# KiCad board hypjolin-rounded.kicad_pcb (continued)
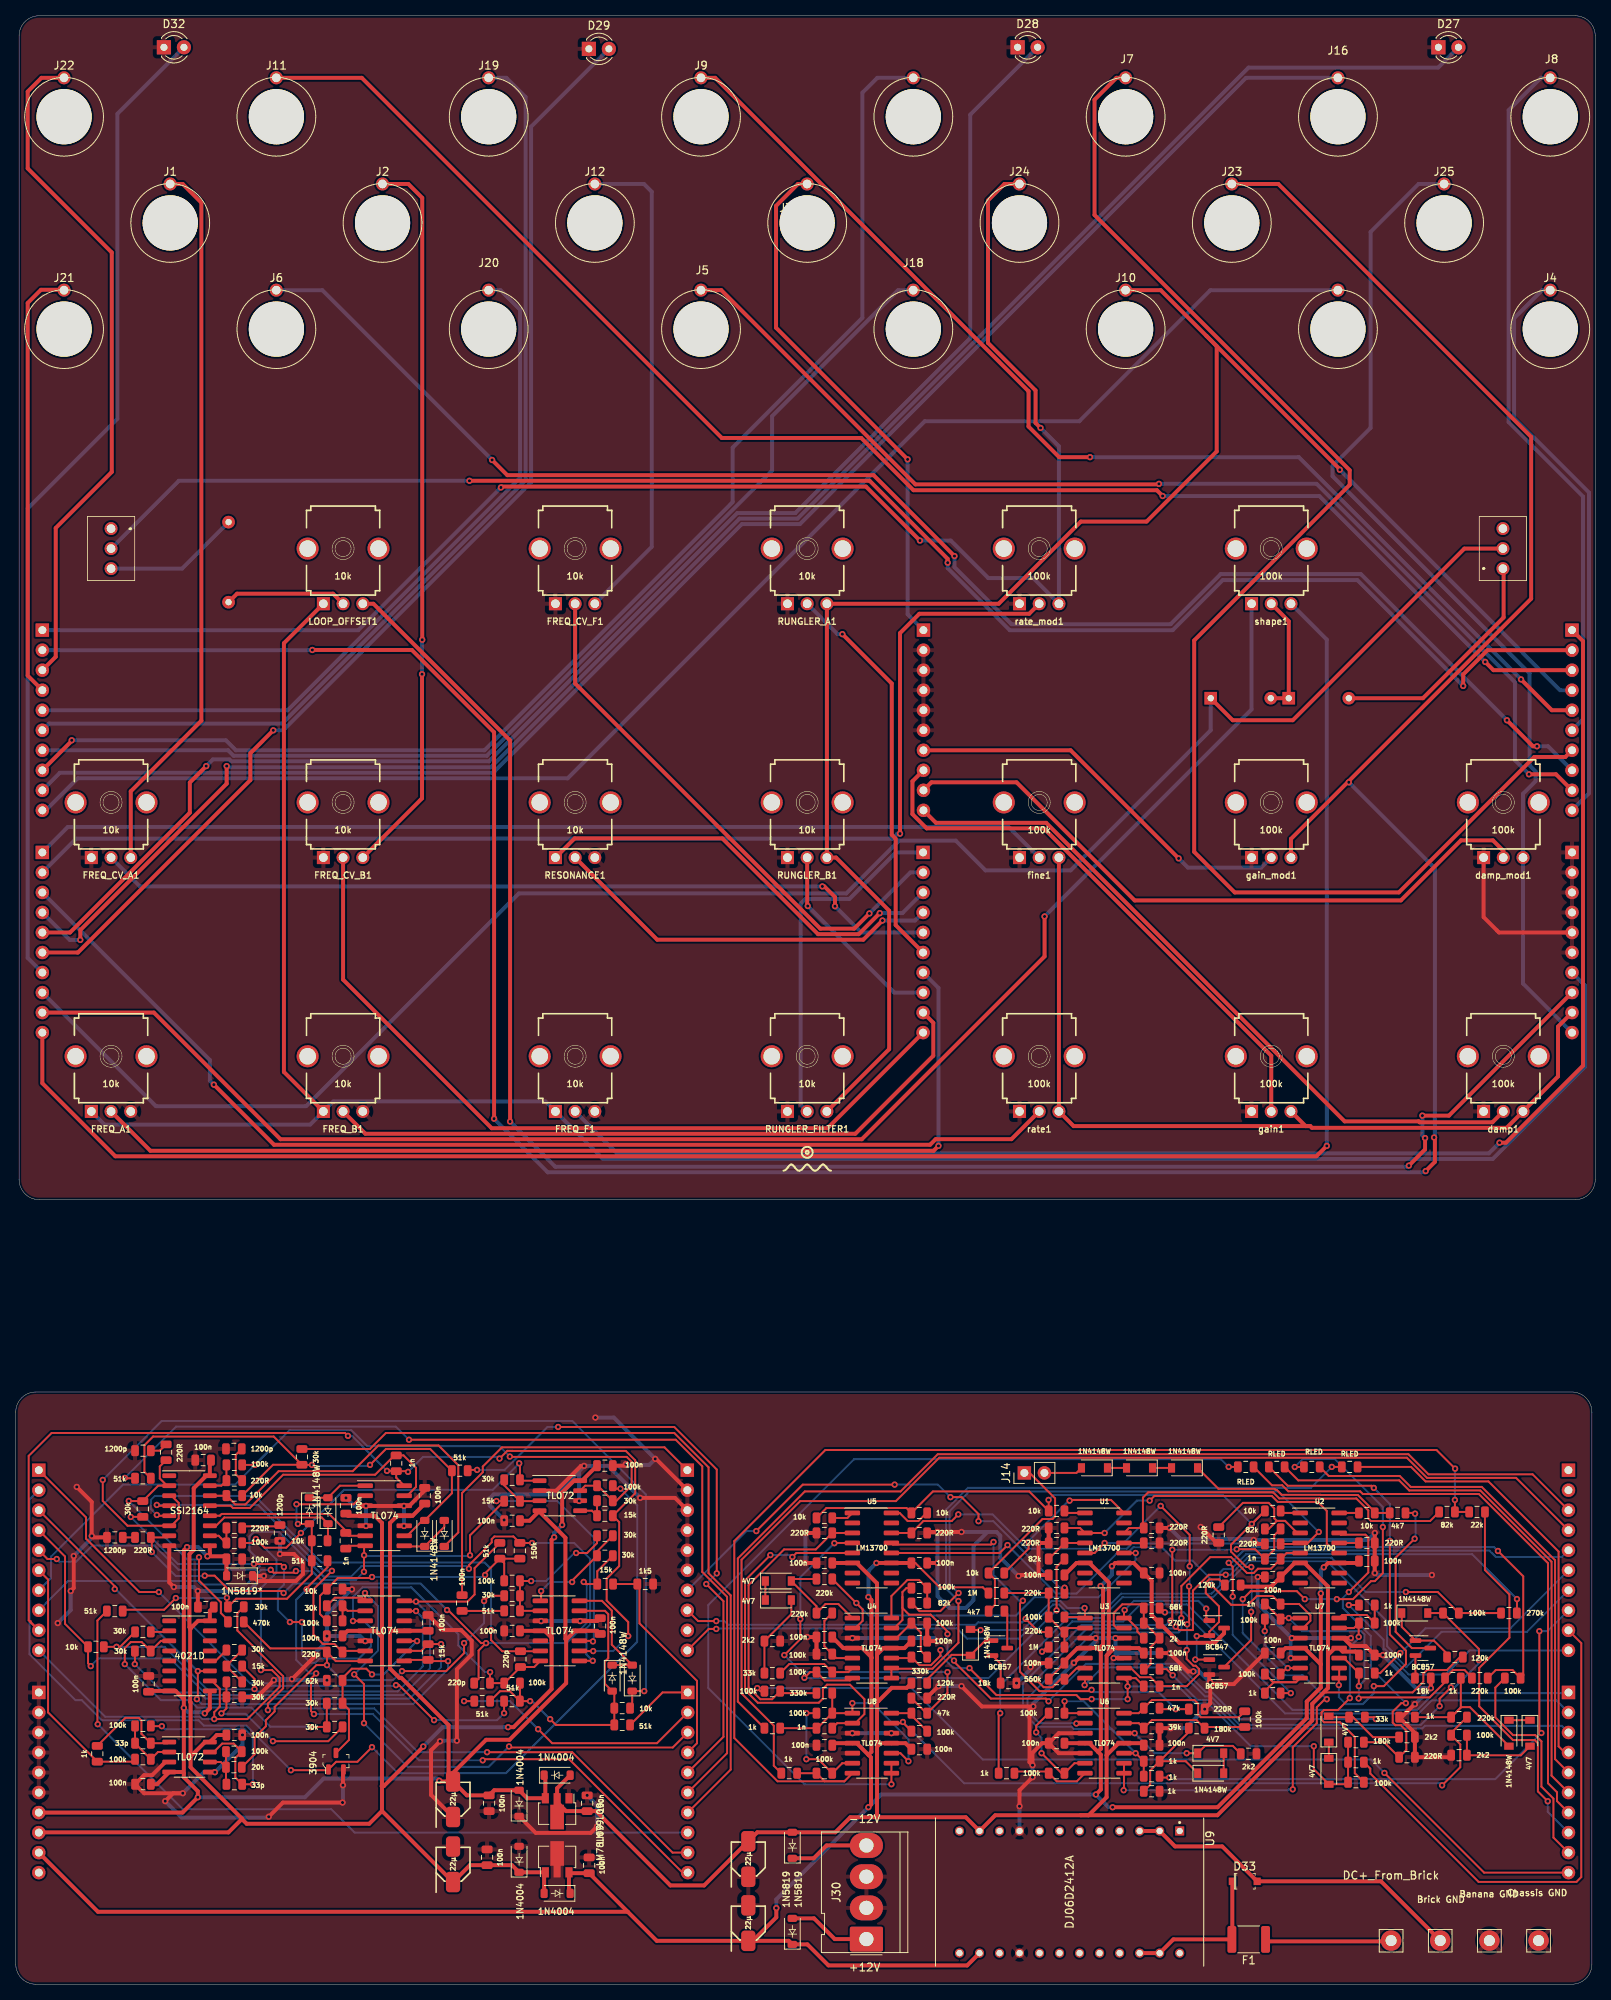
[diagram p0: board, top side]
## Library data of the parts
C15 C16 C33 C34 = -: Description: Aluminum Electrolytic Capacitors - SMD 10VDC 47uF 20% 90mA AEC-Q200; Arrow Part Number: EEE-FN1A470UR; Arrow Price/Stock: https://www.arrow.com/en/products/eee-fn1a470ur/panasonic; Height: 6.1; Manufacturer_Name: Panasonic; Manufacturer_Part_Number: EEE-FN1A470UR; Mouser Part Number: 667-EEE-FN1A470UR; Mouser Price/Stock: https://www.mouser.co.uk/ProductDetail/Panasonic/EEE-FN1A470UR?qs=OlC7AqGiEDlZjloUmme03Q%3D%3D
D33 = -: Description: DIODE SCHOTTKY 40V 1A SOD123; Category: Discrete Semiconductor Products; DK_Datasheet_Link: https://www.diodes.com/assets/Datasheets/ds30217.pdf; DK_Detail_Page: /product-detail/en/diodes-incorporated/1N5819HW-7-F/1N5819HW-FDICT-ND/815283; Digi-Key_PN: 1N5819HW-FDICT-ND; Family: Diodes - Rectifiers - Single; Manufacturer: Diodes Incorporated; Status: Active
Q1 = -: Description: TRANS NPN 40V 0.2A SOT23; Category: Discrete Semiconductor Products; DK_Datasheet_Link: http://www.onsemi.com/pub/Collateral/MMBT3904LT1-D.PDF; DK_Detail_Page: /product-detail/en/on-semiconductor/MMBT3904LT1G/MMBT3904LT1GOSCT-ND/1139813; Digi-Key_PN: MMBT3904LT1GOSCT-ND; Family: Transistors - Bipolar (BJT) - Single; MPN: MMBT3904LT1G; Manufacturer: ON Semiconductor; Status: Active
R18 = -: Comment: (was 62k)

## Footprints (pads in the part's own frame, mm; a bottom-side part is the same pattern mirrored in y, then rotated)
1082MS1T1B1M2QEEVX
  round 1.635 hole 1.09: 1(0,0) 2(0,2.54) 3(0,5.08)
Banana_Jack_1Pin
  round 7 hole 7 unplated: (0,0)
  round 1.648 hole 1.1: 1(-0.007,4.939)
C_0805_2012Metric
  rrect 0.975x1.4 smd: 1(-1,0) 2(1,0)
CAPAE430X610N
  rrect 2.6x1.8 smd: 1(-2.25,0) 2(2.25,0)
D_DO-35_SOD27_P7.62mm_Horizontal
  rect 1.6x1.6 hole 0.8: 1(0,0)
  oval 1.6x1.6 hole 0.8: 2(7.62,0)
D_SOD-123
  rect 0.9x1.2 smd: 1(-1.65,0) 2(1.65,0)
D_SOD-123#2
  rrect 0.9x1.2 smd: 1(-1.65,0) 2(1.65,0)
DIP1549W45P254L3404H940Q24
  rect 1.15x1.15 hole 0.8: 1(-7.747,13.97)
  round 1.15 hole 0.8: 2(-7.747,11.43) 3(-7.747,8.89) 4(-7.747,6.35) 5(-7.747,3.81) 6(-7.747,1.27) 7(-7.747,-1.27) 8(-7.747,-3.81) 9(-7.747,-6.35) 10(-7.747,-8.89) 11(-7.747,-11.43) 12(-7.747,-13.97) 13(7.747,-13.97) 14(7.747,-11.43) 15(7.747,-8.89) 16(7.747,-6.35) 17(7.747,-3.81) 18(7.747,-1.27) 19(7.747,1.27) 20(7.747,3.81) 21(7.747,6.35) 22(7.747,8.89) 23(7.747,11.43) 24(7.747,13.97)
Fuse_1812_4532Metric
  rrect 1.125x3.4 smd: 1(-2.138,0) 2(2.138,0)
LED_D3.0mm_Clear
  rect 1.8x1.8 hole 0.9: 1(0,0)
  round 1.8 hole 0.9: 2(2.54,0)
Molex_KK-396_5273-04A_1x04_P3.96mm_Vertical_copy
  rrect 3.16x4.2 hole 1.8: 1(0,0)
  oval 3.16x4.2 hole 1.8: 2(3.96,0) 3(7.92,0) 4(11.88,0)
MusicThingModular-9MM_SNAP-IN_POT
  rect 1.648x1.648 hole 1.1: 1(-2.499,-6.998)
  round 1.648 hole 1.1: 2(0,-6.998) 3(2.499,-6.998)
  round 2.794 hole 2.098: CHASSIS1(-4.498,0) CHASSIS2(4.498,0)
Pin_D1.4mm_L8.5mm_W2.8mm_FlatFork
  round 2.6 hole 1.4: 1(0,0)
PinHeader_1x02_P2.54mm_Vertical
  rect 1.7x1.7 hole 1: 1(0,0)
  oval 1.7x1.7 hole 1: 2(0,-2.54)
PinHeader_1x10_P2.54mm_Vertical
  rect 1.7x1.7 hole 1: 1(0,0)
  oval 1.7x1.7 hole 1: 2(0,-2.54) 3(0,-5.08) 4(0,-7.62) 5(0,-10.16) 6(0,-12.7) 7(0,-15.24) 8(0,-17.78) 9(0,-20.32) 10(0,-22.86)
PinSocket_1x10_P2.54mm_Vertical
  rect 1.7x1.7 hole 1: 1(0,0)
  oval 1.7x1.7 hole 1: 2(0,-2.54) 3(0,-5.08) 4(0,-7.62) 5(0,-10.16) 6(0,-12.7) 7(0,-15.24) 8(0,-17.78) 9(0,-20.32) 10(0,-22.86)
R_0805_2012Metric
  rrect 0.975x1.4 smd: 1(-1,0) 2(1,0)
R_Axial_DIN0207_L6.3mm_D2.5mm_P10.16mm_Horizontal
  round 1.6 hole 0.8: 1(0,0)
  oval 1.6x1.6 hole 0.8: 2(10.16,0)
SO-8_3.9x4.9mm_P1.27mm
  rrect 1.75x0.6 smd: 1(-2.575,1.905) 2(-2.575,0.635) 3(-2.575,-0.635) 4(-2.575,-1.905) 5(2.575,-1.905) 6(2.575,-0.635) 7(2.575,0.635) 8(2.575,1.905)
SO-14_3.9x8.65mm_P1.27mm
  rrect 1.95x0.6 smd: 1(-2.475,3.81) 2(-2.475,2.54) 3(-2.475,1.27) 4(-2.475,0) 5(-2.475,-1.27) 6(-2.475,-2.54) 7(-2.475,-3.81) 8(2.475,-3.81) 9(2.475,-2.54) 10(2.475,-1.27) 11(2.475,0) 12(2.475,1.27) 13(2.475,2.54) 14(2.475,3.81)
SO-16_3.9x9.9mm_P1.27mm
  rrect 1.75x0.6 smd: 1(-2.575,4.445) 2(-2.575,3.175) 3(-2.575,1.905) 4(-2.575,0.635) 5(-2.575,-0.635) 6(-2.575,-1.905) 7(-2.575,-3.175) 8(-2.575,-4.445) 9(2.575,-4.445) 10(2.575,-3.175) 11(2.575,-1.905) 12(2.575,-0.635) 13(2.575,0.635) 14(2.575,1.905) 15(2.575,3.175) 16(2.575,4.445)
SOD-123
  rect 0.9x0.95 smd: A(1.575,0) K(-1.575,0)
SOIC-14_3.9x8.7mm_P1.27mm
  rrect 1.95x0.6 smd: 1(-2.475,3.81) 2(-2.475,2.54) 3(-2.475,1.27) 4(-2.475,0) 5(-2.475,-1.27) 6(-2.475,-2.54) 7(-2.475,-3.81) 8(2.475,-3.81) 9(2.475,-2.54) 10(2.475,-1.27) 11(2.475,0) 12(2.475,1.27) 13(2.475,2.54) 14(2.475,3.81)
SOIC-16_3.9x9.9mm_P1.27mm
  rrect 1.95x0.6 smd: 1(-2.475,4.445) 2(-2.475,3.175) 3(-2.475,1.905) 4(-2.475,0.635) 5(-2.475,-0.635) 6(-2.475,-1.905) 7(-2.475,-3.175) 8(-2.475,-4.445) 9(2.475,-4.445) 10(2.475,-3.175) 11(2.475,-1.905) 12(2.475,-0.635) 13(2.475,0.635) 14(2.475,1.905) 15(2.475,3.175) 16(2.475,4.445)
SOT-23
  rrect 1.475x0.6 smd: 1(-0.938,0.95) 2(-0.938,-0.95) 3(0.938,0)
SOT-23-3
  rrect 1.3x0.6 smd: 1(-1.05,0.95) 2(-1.05,-0.95) 3(1.05,0)
SOT-89-3
  rect 1.3x0.9 smd: 1(-1.65,1.5) 3(-1.65,-1.5)
  custom 4.6x1.733 smd: 2(-1.562,0)

## Nets
GND: C1.2 C2.2 C6.1 C9.1 C11.2 C12.1 C13.2 C14.1 C15.2 C16.1 C17.2 C18.1 C19.2 C20.1 C21.2 C22.1 C23.2 C24.1 C25.2 C26.1 C27.2 C28.1 C30.2 C31.1 C33.2 C34.1 C39.2 C40.1 C41.2 C42.1 C43.2 C44.1 C45.2 C46.1 C47.2 C48.1 C49.2 C50.1 C51.2 C52.1 C53.2 C54.1 D9.2 D10.1 D11.1 IC2.3 IC2.5 IC2.10 IC2.12 IC3.8 IC4.2 IC4.6 IC5.5 IC5.12 IC6.3 IC6.5 IC6.12 IC7.2 IC8.1 IC9.3 IC9.5 J26.1 J27.1 J30.2 J30.3 J32.1 J32.2 J32.3 J32.4 J32.5 J32.6 J38.2 J38.3 J38.4 J38.5 J38.6 Q1.2 Q5.2 R21.1 R28.1 R38.1 R40.1 R52.1 R53.1 R77.2 R78.2 R82.2 R84.1 R87.1 R88.2 R89.1 R91.2 R94.2 R99.2 R101.2 R102.1 R105.1 R106.2 R108.2 R110.1 R111.2 R121.1 R123.1 R126.1 R135.1 U3.3 U3.5 U3.10 U3.12 U4.3 U6.3 U6.5 U7.3 U7.5 U7.12 U8.3 U8.5 U8.12 U9.9 U9.16
VCC: C11.1 C33.1 C39.1 C41.1 C43.1 C45.1 C47.1 C49.1 C51.1 C53.1 D8.1 D12.1 IC7.3 J32.9 Q3.3 R61.1 R69.1 R70.1 U1.11 U2.11 U3.4 U4.4 U5.11 U6.4 U7.4 U8.4 U9.14
VEE: C12.2 C34.2 C40.2 C42.2 C44.2 C46.2 C48.2 C50.2 C52.2 C54.2 D7.2 D13.2 IC8.2 R71.2 R74.2 R79.2 U1.6 U2.6 U3.11 U4.11 U5.6 U6.11 U7.11 U8.11 U9.11
/-X': R51.1 R148.2 R149.1 R150.1 U8.7
/cv_f_pot: J41.2 R41.1
/damp_mod: J32.10
/damp_mod_pot: J38.9
/damp_pot: J38.10 R59.2
/ext_in: C5.1 J38.1
/F_CV: D6.1 IC3.3 IC3.6 R46.2
/fine_pot: J36.1 R57.2
/freq_a_pot: J41.7 R3.1
/freq_b_pot: J41.9 R5.1
/freq_cv_a_pot: J41.5 R1.1
/freq_cv_b_pot: J41.10 R2.1
/freq_f_pot: J34.1 R43.1
/gain_mod: J13.2
/gain_mod_pot: J38.7 R54.2
/gain_pot: J38.8 R55.2
/LEDU: J36.4 R117.1
/LEDX: J36.7 R147.1
/LEDY: J36.6 R142.1
/LEDZ: J36.5 R133.1
/offset_switch: J34.2 Q1.1 R17.2
/OUT: C10.2 IC5.7 R32.2 R50.2 R66.1
/out -U: J13.10 R120.1
/out -X: J13.4 R150.2
/out -Y: J13.5 R144.1
/out -Z: J13.7 R136.1
/out U: J13.9 R109.1
/out X: J13.3 R145.2
/out Y: J13.6 R137.2
/out Z: J13.8 R129.2
/OUT_AMP: J34.6 R62.2 R64.2
/P1: IC4.7 J34.7 R11.2 R15.2 R17.1
/P2: IC1.10 IC4.1 J34.10 R12.2 R16.2
/P / cv_f_pot: FREQ_CV_F1.2 J40.2
/P / damp_mod: damp_mod1.3 J25.1 J33.10
/P / damp_mod_pot: damp_mod1.2 J39.9
/P / damp_pot: damp1.2 J39.10
/P / ext_in: J3.1 J39.1
/P / fine_pot: fine1.2 J37.1
/P / freq_a_pot: FREQ_A1.2 J40.7
/P / freq_b_pot: FREQ_B1.2 J40.9
/P / freq_cv_a_pot: FREQ_CV_A1.2 J40.5
/P / freq_cv_b_pot: FREQ_CV_B1.2 J40.10
/P / freq_f_pot: FREQ_F1.2 J35.1
/P / gain_mod: gain_mod1.3 J23.1 J31.2
/P / gain_mod_pot: gain_mod1.2 J39.7
/P / gain_pot: gain1.2 J39.8
/P / LEDU: D27.2 J37.4
/P / LEDX: D32.2 J37.7
/P / LEDY: D29.2 J37.6
/P / LEDZ: D28.2 J37.5
/P / offset_switch: J35.2 SW1.2
/P / out -U: J15.1 J31.10
/P / out -X: J21.1 J31.4
/P / out -Y: J20.1 J31.5
/P / out -Z: J18.1 J31.7
/P / out U: J16.1 J31.9
/P / out X: J22.1 J31.3
/P / out Y: J19.1 J31.6
/P / out Z: J17.1 J31.8
/P / OUT_AMP: J8.1 J35.6
/P / P1: J7.1 J35.7
/P / P2: J4.1 J35.10
/P / PWM: J9.1 J35.5
/P / rate_mod: J24.1 J31.1 rate_mod1.3
/P / rate_mod_pot: J37.2 rate_mod1.2
/P / rate_pot: J37.3 rate1.2
/P / reso_pot_A: J40.4 RESONANCE1.2
/P / reso_pot_B: J40.3 RESONANCE1.1
/P / run_a_pot: J40.6 RUNGLER_A1.2
/P / run_b_pot: J40.8 RUNGLER_B1.2
/P / RUN_CV: J10.1 J35.4 RUNGLER_A1.3 RUNGLER_B1.3 RUNGLER_FILTER1.3
/P / run_f_pot: J40.1 RUNGLER_FILTER1.2
/P / shape_IN1: J37.10 shape1.3
/P / shape_IN2: J37.9 shape1.1
/P / shape_OUT: D30.1 J37.8 SW2.2
/P / T1: J5.1 J35.9
/P / T2: J6.1 J35.8
/P / XOR: J11.1 J35.3
/PWM: IC6.8 J34.5 R36.1
/rate_mod: J13.1
/rate_mod_pot: J36.2 R58.2
/rate_pot: J36.3 R60.2
/reso_pot_A: J41.4 R39.1 R40.2
/reso_pot_B: IC5.1 J41.3 R48.2
/run_a_pot: J41.6 R4.1
/run_b_pot: J41.8 R6.1
/RUN_CV: IC5.14 J34.4 R29.1 R35.1
/run_f_pot: J41.1 R42.1
/shape_IN1: J36.10 R127.1
/shape_IN2: J36.9 R128.1
/shape_OUT: J36.8 R148.1
/T1: C3.2 IC2.14 IC6.9 J34.9 R13.1
/T2: C4.2 IC2.7 IC6.10 J34.8 R14.1
/V+: C13.1 C15.1 C17.1 C19.1 C21.1 C23.1 C25.1 C27.1 C30.1 D8.2 D9.1 IC1.16 IC2.4 IC3.16 IC4.8 IC5.4 IC6.4 IC7.1 IC9.8 J32.8
/V-: C14.2 C16.2 C18.2 C20.2 C22.2 C24.2 C26.2 C28.2 C31.2 D7.1 D10.2 D11.2 IC1.8 IC1.9 IC2.11 IC3.9 IC4.4 IC5.11 IC6.11 IC8.3 IC9.4 J32.7
/XOR: IC1.11 IC5.8 J34.3 R22.1
P / GND: D27.1 D28.1 D29.1 D32.1 damp1.1 damp_mod1.1 fine1.1 FREQ_A1.3 FREQ_B1.3 FREQ_CV_A1.1 FREQ_CV_B1.1 FREQ_CV_F1.1 FREQ_F1.3 gain1.1 gain_mod1.1 J33.1 J33.2 J33.3 J33.4 J33.5 J33.6 J39.2 J39.3 J39.4 J39.5 J39.6 rate1.1 rate_mod1.1 RESONANCE1.3 RUNGLER_A1.1 RUNGLER_B1.1 RUNGLER_FILTER1.1
P / V+: J33.8 LOOP_OFFSET1.3
P / V-: FREQ_A1.1 FREQ_B1.1 FREQ_F1.1 J33.7 LOOP_OFFSET1.1
P / VCC: damp1.3 fine1.3 gain1.3 J33.9 rate1.3
Net-(C1-Pad1): C1.1 R9.1
Net-(C2-Pad1): C2.1 R10.1
Net-(C3-Pad1): C3.1 IC2.13 IC3.13
Net-(C4-Pad1): C4.1 IC2.6 IC3.12
Net-(C5-Pad2): C5.2 R30.1
Net-(C6-Pad2): C6.2 R37.1
Net-(C7-Pad1): C7.1 IC3.7 R34.2 R37.2 R39.2
Net-(C7-Pad2): C7.2 C8.2 IC5.3 IC6.7 R45.2 R47.1
Net-(C8-Pad1): C8.1 IC3.5 IC6.6
Net-(C9-Pad2): C9.2 R49.1
Net-(C10-Pad1): C10.1 IC3.4 IC5.6
Net-(C29-Pad1): C29.1 IC9.1 R62.1
Net-(C29-Pad2): C29.2 IC9.2 R63.2 R64.1
Net-(C32-Pad1): C32.1 IC9.6 R65.1 R66.2
Net-(C32-Pad2): C32.2 IC9.7 R63.1 R65.2
Net-(C35-Pad1): C35.1 D21.2 R92.2 R104.2 R107.2 R109.2 U3.8 U4.10
Net-(C35-Pad2): C35.2 U1.5 U3.9
Net-(C36-Pad1): C36.1 R90.1 R112.2 R129.1 R130.2 U6.1 U6.10
Net-(C36-Pad2): C36.2 U2.5 U6.2
Net-(C37-Pad1): C37.1 R98.1 R124.1 R137.1 R138.2 U7.1 U7.10
Net-(C37-Pad2): C37.2 U5.12 U7.2
Net-(C38-Pad1): C38.1 R143.1 R145.1 R146.2 U8.1 U8.10
Net-(C38-Pad2): C38.2 U5.5 U8.2
Net-(D1-Pad1): D1.1 D3.2 IC2.8
Net-(D1-Pad2): D1.2 IC2.9 R1.2 R3.2 R4.2 R7.1
Net-(D2-Pad1): D2.1 D4.2 IC2.1
Net-(D2-Pad2): D2.2 IC2.2 R2.2 R5.2 R6.2 R8.1
Net-(D3-Pad1): D3.1 IC3.14 R7.2
Net-(D4-Pad1): D4.1 IC3.11 R8.2
Net-(D5-Pad1): D5.1 D6.2 IC6.14
Net-(D5-Pad2): D5.2 IC6.13 R41.2 R42.2 R43.2 R45.1 R46.1
Net-(D12-Pad2): D12.2 J30.1
Net-(D13-Pad1): D13.1 J30.4
Net-(D14-Pad1): D14.1 Q2.1 R71.1
Net-(D14-Pad2): D14.2 R68.1 U3.1
Net-(D15-Pad1): D15.1 D17.1
Net-(D15-Pad2): D15.2 R67.1 R83.1 U4.1
Net-(D16-Pad1): D16.1 Q4.1 R74.1
Net-(D16-Pad2): D16.2 R72.1 U3.7
Net-(D17-Pad2): D17.2 R78.1 R80.1
Net-(D18-Pad1): D18.1 D19.2
Net-(D18-Pad2): D18.2 J14.2
Net-(D19-Pad1): D19.1 D20.2
Net-(D20-Pad1): D20.1 R81.1 R97.2
Net-(D21-Pad1): D21.1 D22.1
Net-(D22-Pad2): D22.2 R88.1 R93.2
Net-(D23-Pad1): D23.1 R90.2 R91.1 R96.1
Net-(D23-Pad2): D23.2 D24.2
Net-(D24-Pad1): D24.1 R101.1 U6.12
Net-(D25-Pad1): D25.1 D26.1
Net-(D25-Pad2): D25.2 R98.2 R99.1 R115.1
Net-(D26-Pad2): D26.2 R110.2 R114.1
Net-(D30-Pad2): D30.2 D31.1 shape1.2
Net-(D31-Pad2): D31.2 SW2.1
Net-(D33-PadA): D33.A J29.1 U9.2 U9.3
Net-(D33-PadK): D33.K F1.2 U9.22 U9.23
Net-(F1-Pad1): F1.1 J28.1
Net-(FREQ_CV_A1-Pad3): FREQ_CV_A1.3 J1.1
Net-(FREQ_CV_B1-Pad3): FREQ_CV_B1.3 J2.1
Net-(FREQ_CV_F1-Pad3): FREQ_CV_F1.3 J12.1
Net-(IC1-Pad2): IC1.2 R23.2
Net-(IC1-Pad3): IC1.3 R19.2 R20.2 R25.2
Net-(IC1-Pad12): IC1.12 R24.2
Net-(IC3-Pad2): IC3.2 R47.2 R49.2 R50.1
Net-(IC3-Pad10): IC3.10 R10.2 R12.1
Net-(IC3-Pad15): IC3.15 R9.2 R11.1
Net-(IC4-Pad3): IC4.3 R14.2 R16.1
Net-(IC4-Pad5): IC4.5 R13.2 R15.1
Net-(IC5-Pad2): IC5.2 R44.2 R48.1
Net-(IC5-Pad9): IC5.9 R19.1 R22.2
Net-(IC5-Pad10): IC5.10 Q1.3 R20.1 R21.2
Net-(IC5-Pad13): IC5.13 R23.1 R26.2 R29.2
Net-(IC6-Pad1): IC6.1 R33.2 R34.1
Net-(IC6-Pad2): IC6.2 R30.2 R31.2 R32.1 R33.1
Net-(J14-Pad1): J14.1 R75.2 R76.1
Net-(LOOP_OFFSET1-Pad2): LOOP_OFFSET1.2 R18.1
Net-(Q2-Pad2): Q2.2 R77.1
Net-(Q2-Pad3): Q2.3 R76.2
Net-(Q3-Pad1): Q3.1 R73.1 U3.14
Net-(Q3-Pad2): Q3.2 Q5.1 R79.1
Net-(Q4-Pad2): Q4.2 R82.1
Net-(Q4-Pad3): Q4.3 R81.2
Net-(Q5-Pad3): Q5.3 R95.1 R118.1 R131.1 R139.1
Net-(R18-Pad2): R18.2 SW1.3
Net-(R24-Pad1): R24.1 R26.1 R27.2
Net-(R25-Pad1): R25.1 R27.1 R28.2
Net-(R31-Pad1): R31.1 R35.2 R36.2 R38.2 R44.1
Net-(R51-Pad2): R51.2 R52.2 U1.14
Net-(R53-Pad2): R53.2 U1.13
Net-(R54-Pad1): R54.1 R55.1 R57.1 R61.2 R68.2 U3.2
Net-(R56-Pad1): R59.1 R69.2 R72.2 U3.6
Net-(R58-Pad1): R58.1 R60.1 R70.2 R73.2 U3.13
Net-(R67-Pad2): R67.2 U1.12 U4.2
Net-(R75-Pad1): R75.1 U1.16
Net-(R80-Pad2): R80.2 R85.1 U4.6
Net-(R83-Pad2): R83.2 R84.2 U4.5
Net-(R85-Pad2): R85.2 R86.1 U4.7
Net-(R86-Pad2): R86.2 R87.2 U1.4
Net-(R89-Pad2): R89.2 U1.3 U2.12
Net-(R92-Pad1): R92.1 R94.1 U4.12
Net-(R95-Pad2): R95.2 U1.1
Net-(R97-Pad1): R97.1 U2.16
Net-(R100-Pad1): R100.1 R103.2 U4.14
Net-(R100-Pad2): R93.1 R100.2 U4.13
Net-(R102-Pad2): R102.2 U2.13
Net-(R103-Pad1): R103.1 R108.1 U2.4
Net-(R104-Pad1): R104.1 R105.2 U2.14
Net-(R106-Pad1): R96.2 R106.1 R113.1 U6.13
Net-(R107-Pad1): R107.1 R116.2 U7.13
Net-(R111-Pad1): R111.1 R112.1 U2.3
Net-(R113-Pad2): R113.2 R119.1 U6.14
Net-(R114-Pad2): R114.2 R115.2 R122.1 U8.13
Net-(R116-Pad1): R116.1 R120.2 U7.14
Net-(R117-Pad2): R117.2 U4.8 U4.9
Net-(R118-Pad2): R118.2 U2.1
Net-(R119-Pad2): R119.2 R121.2 U5.13
Net-(R122-Pad2): R122.2 R125.1 U8.14
Net-(R123-Pad2): R123.2 R124.2 R128.2 U5.14
Net-(R125-Pad2): R125.2 R126.2 U5.4
Net-(R127-Pad2): R127.2 R135.2 R143.2 U5.3
Net-(R130-Pad1): R130.1 R134.2 U6.6
Net-(R131-Pad2): R131.2 U5.16
Net-(R133-Pad2): R133.2 U6.8 U6.9
Net-(R134-Pad1): R134.1 R136.2 U6.7
Net-(R138-Pad1): R138.1 R141.2 U7.6
Net-(R139-Pad2): R139.2 U5.1
Net-(R141-Pad1): R141.1 R144.2 U7.7
Net-(R142-Pad2): R142.2 U7.8 U7.9
Net-(R146-Pad1): R146.1 R149.2 U8.6
Net-(R147-Pad2): R147.2 U8.8 U8.9

Pads without a net: damp1 CHASSIS1 CHASSIS2; damp_mod1 CHASSIS1 CHASSIS2; fine1 CHASSIS1 CHASSIS2; FREQ_A1 CHASSIS1 CHASSIS2; FREQ_B1 CHASSIS1 CHASSIS2; FREQ_CV_A1 CHASSIS1 CHASSIS2; FREQ_CV_B1 CHASSIS1 CHASSIS2; FREQ_CV_F1 CHASSIS1 CHASSIS2; FREQ_F1 CHASSIS1 CHASSIS2; gain1 CHASSIS1 CHASSIS2; gain_mod1 CHASSIS1 CHASSIS2; IC1 1 4 5 6 7 13 14 15; IC3 1; LOOP_OFFSET1 CHASSIS1 CHASSIS2; rate1 CHASSIS1 CHASSIS2; rate_mod1 CHASSIS1 CHASSIS2; RESONANCE1 CHASSIS1 CHASSIS2; RUNGLER_A1 CHASSIS1 CHASSIS2; RUNGLER_B1 CHASSIS1 CHASSIS2; RUNGLER_FILTER1 CHASSIS1 CHASSIS2; shape1 CHASSIS1 CHASSIS2; SW1 1; SW2 3; U1 2 7 8 9 10 15; U2 2 7 8 9 10 15; U5 2 7 8 9 10 15; U9 1 4 5 6 7 8 10 12 13 15 17 18 19 20 21 24

## Via types
v1: diameter 0.8, hole 0.4, Top to Bottom, 388 vias

## Routing (per net, layer and track width the routed paths; a pad name or vN(x,y) marks a point on that pad's centre or on a via; arc(x,y) is an arc through that point)
GND: length 583.2
  Top w0.5: v1(100.45,44.04) C47.2 R84.1 ; R89.1 R87.1 v1(129.78,55.98) 129.78,52.04 129.91,51.92 ; U6.5 132.34,29.31 C49.2 ; v1(151.57,38.28) 151.45,38.4 Q5.2 ; v1(151.57,38.28) 151.77,38.07 154.56,38.07 C53.2 ; v1(151.57,38.28) 151.57,35.62 R121.1 ; IC9.5 24.65,26.9 v1(25.26,26.9) ; v1(31.49,51.79) 31.46,51.82 D11.1 30.71,51.16 35.55,51.16 36.44,52.04 36.44,53.44 35.3,54.58 v1(33.52,54.58) ; v1(39.49,44.17) 39.49,44.18 C27.2 ; v1(169.41,43.92) U7.12 168.48,43.92 169.49,42.91 171.29,42.91 C50.1 v1(173.47,41.76) ; R108.2 157.6,55.85 v1(157.09,56.36) ; v1(149.43,39.69) 148.75,39.69 v1(146.42,42.01) C48.1 ; v1(71.62,46.08) 73.79,46.08 C26.1 ; C20.1 61.98,58.89 v1(61.97,58.9) ; v1(7.36,54.33) 7.36,50.27 v1(6.97,49.89) ; v1(81.14,66.65) 81.25,66.65 J38.2 ; C49.2 132.34,31.85 U6.3 ; C49.2 130.23,30.58 129.02,29.37 v1(129.02,27.79) 128.63,28.18 128.63,34.76 v1(129.12,35.24) 122.59,35.24 v1(120.01,37.82) ; J38.3 83.66,61.7 v1(79.24,61.7) ; v1(146.55,32.49) R106.2 C54.1 ; v1(177.54,35.53) 177.51,35.53 175.85,33.88 R99.2 177.54,31.88 R88.2 R105.1 181.89,28.8 R110.1 ; v1(179.57,37.57) 179.57,38.82 R82.2 ; D10.1 65.99,19.2 72.95,19.2 v1(73.75,20) ; v1(150.36,58.01) 152.37,56 R111.2 ; IC9.3 18.97,28.19 17.3,26.52 16.28,26.52 C31.1 16.28,24.22 21.19,24.22 v1(21.2,24.23) 19.97,24.23 v1(18.96,23.23) ; v1(42.66,50.1) 42.62,50.14 R38.1 ; 129.91,51.92 C40.1 ; 129.91,51.92 127.37,51.92 v1(127.24,51.79) ; v1(146.42,57.89) R52.1 ; v1(7.74,63.09) 9.64,61.19 v1(9.64,56.87) 9.82,56.69 C6.1 ; IC2.5 44.41,58.17 v1(44.44,58.14) ; v1(37.84,41.88) 37.84,41.5 v1(35.04,38.71) ; v1(23.1,49.89) 23.1,47.87 C23.2 ; v1(55.97,30.9) 55.97,39.95 57.85,41.83 57.85,43.59 56.5,44.93 54.23,44.93 C28.1 ; U3.12 v1(139.55,43.92) ; v1(32.1,21.25) 33.9,23.05 v1(41.47,23.05) ; v1(28.77,31.63) 28.75,31.62 C30.2 ; v1(128.77,40.23) 129.28,40.74 C43.2 ; v1(32.76,38.58) 30.62,36.45 R28.1 ; v1(126.99,38.2) R77.2 ; v1(72.13,65.76) 71.72,65.76 68.57,62.61 IC4.2 ; IC3.8 19.48,50.97 v1(20.06,50.39) ; C18.1 51.9,62.66 49.94,60.71 IC2.12 v1(49.26,60.68) v1(44.44,60.68) ; v1(53.84,30.82) 52.69,29.68 52.69,24.01 C16.1 ; 135.68,41.38 134.87,41.38 v1(134.27,40.78) ; v1(41.52,25.25) 41.52,27.19 Q1.2 ; R135.1 v1(100.19,57.25) ; v1(120.01,57.38) v1(116.96,57.38) 115.78,57.38 R123.1 ; U7.3 v1(161.92,43.92) ; IC4.6 71.52,61.34 v1(71.49,61.32) ; v1(161.79,41.38) 162.98,41.38 ; v1(127.37,22.58) 127.37,24.61 v1(129.02,26.26) ; IC5.5 44.35,43.55 v1(44.35,43.54) ; v1(117.08,37.82) 115.65,36.39 R126.1 ; R94.2 C44.1 v1(116.96,43.54) ; C19.2 77.23,65.79 v1(77.43,65.98) ; C2.2 v1(33.52,56.24) ; v1(172.46,52.17) 172.44,52.19 C41.2 R102.1 172.46,56 v1(172.46,57.25) ; IC6.3 66.64,46.1 v1(66.66,46.08) ; v1(100.19,53.44) C52.1 ; C45.2 v1(116.96,53.44) ; U3.3 v1(137.04,43.92) ; 140.62,41.38 v1(139.31,41.38) ; C17.2 v1(41.9,61.7) ; C46.1 v1(157.6,51.66)
  Bottom w0.5: v1(129.02,26.26) v1(129.02,27.79) ; 152.39,56.49 147.82,56.49 v1(146.42,57.89) ; 152.39,56.49 151.88,56.49 v1(150.36,58.01) ; 152.39,56.49 156.96,56.49 v1(157.09,56.36) 171.57,56.36 v1(172.46,57.25) ; v1(150.87,34.9) 148.45,32.49 v1(146.55,32.49) ; v1(31.49,51.79) 29.58,49.89 v1(23.1,49.89) 22.6,50.39 v1(20.06,50.39) ; v1(39.49,44.17) 39.49,46.96 42.62,50.1 v1(42.66,50.1) ; v1(39.49,44.17) 39.49,43.54 v1(37.84,41.88) ; v1(39.49,44.17) 43.72,44.17 v1(44.35,43.54) ; v1(127.24,51.79) 124.93,54.11 124.93,56.9 124.45,57.38 123.31,57.38 ; v1(35.04,38.71) 32.88,38.71 v1(32.76,38.58) v1(39.49,38.58) ; 123.31,57.38 v1(120.01,57.38) ; 123.31,57.38 121.53,55.6 121.53,48.74 120.51,47.73 118.48,47.73 116.96,49.25 v1(116.96,53.44) v1(116.96,57.38) ; v1(72.13,65.76) 68.52,62.15 60.65,62.15 60.15,61.65 60.15,60.72 v1(61.97,58.9) ; v1(72.13,65.76) 71.49,65.13 v1(71.49,61.32) ; v1(72.13,65.76) 75.17,65.76 v1(79.24,61.7) ; v1(149.43,39.69) 150.16,39.69 v1(151.57,38.28) ; v1(73.75,20) 73.75,22.72 v1(72.51,23.96) ; v1(169.41,43.92) v1(161.92,43.92) ; v1(161.92,43.92) 157.6,48.23 v1(157.6,51.66) ; v1(161.92,43.92) 161.79,43.79 v1(161.79,41.38) ; v1(18.96,23.23) 21.05,21.14 31.99,21.14 v1(32.1,21.25) ; v1(100.19,57.25) v1(100.19,53.44) ; v1(173.47,41.76) 177.66,37.57 v1(179.57,37.57) v1(177.54,35.53) ; v1(106.16,43.92) 116.58,43.92 v1(116.96,43.54) ; v1(6.97,49.89) 6.97,47.47 v1(5.32,45.82) ; v1(21.2,24.23) 23.87,26.9 v1(25.26,26.9) 28.77,30.4 v1(28.77,31.63) ; v1(33.52,56.24) v1(33.52,54.58) ; v1(44.44,58.14) v1(44.44,60.68) 42.92,60.68 v1(41.9,61.7) ; v1(49.27,58.14) 49.26,58.14 v1(49.26,60.68) ; v1(7.36,54.33) 9.64,56.62 v1(9.64,56.87) ; v1(66.66,46.08) v1(71.62,46.08) ; v1(126.99,38.2) 128.77,39.98 v1(128.77,40.23) ; v1(146.42,42.01) 139.94,42.01 v1(139.31,41.38) 139.55,41.62 v1(139.55,43.92) v1(137.04,43.92) 137.04,43.54 v1(134.27,40.78) 129.12,35.62 v1(129.12,35.24) ; v1(77.43,65.98) 77.52,65.89 80.38,65.89 v1(81.14,66.65) 75.9,71.89 v1(73.55,71.89) ; U9.9 v1(127.37,22.58) ; v1(41.52,25.25) 41.52,23.1 v1(41.47,23.05) ; v1(172.46,52.17) 172.71,51.92 v1(179.69,51.92) ; v1(106.16,31.85) v1(111.11,31.85) ; v1(117.08,37.82) v1(120.01,37.82) ; v1(55.97,30.9) 53.91,30.9 v1(53.84,30.82)
VCC: length 379
  Top w0.25: C45.1 114.15,53.44 117.23,50.36 122.71,50.36 R61.1 ; R69.1 133.07,40.71 C43.1
  Top w0.5: 137.32,29.49 137.68,29.85 137.68,42.24 137.4,42.52 ; 137.32,29.49 137.68,29.13 137.68,24.7 v1(137.06,24.07) ; 137.32,29.49 136.23,30.58 U6.4 C49.1 ; Q3.3 153.33,44.53 152.12,43.32 147.64,43.32 R70.1 144.13,46.82 144.13,51.17 C39.1 141.87,53.44 U1.11 139.51,53.44 v1(139.09,53.02) ; 137.4,42.52 137.28,42.65 U3.4 134.73,42.65 133.07,40.99 C43.1 ; 137.4,42.52 137.97,43.09 137.97,50.2 v1(137.66,50.52) ; C41.1 170.19,53.44 U2.11 166.53,53.44 v1(165.98,52.89) ; 108.58,41.38 108.58,48.74 v1(108.19,49.12) ; 108.58,41.38 108.58,29.49 108.19,29.1 ; 108.58,41.38 108.58,41.49 107.42,42.65 U4.4 105,42.65 C47.1 ; 108.19,29.1 106.72,30.58 U8.4 103.86,30.58 C51.1 ; 108.19,29.1 108.52,28.77 108.52,22.78 v1(108.19,22.45) ; 77.66,9.19 81.34,5.51 C33.1 ; 77.66,9.19 10.43,9.19 J32.9 ; 77.66,9.19 C11.1 70.31,14.09 IC7.3 70.2,11.68 D8.1 ; v1(109.21,53.44) U5.11 C45.1 ; C33.1 98.09,5.51 D12.1 100.46,5.06 103.13,2.39 120.73,2.39 U9.14 ; C33.1 93.53,5.51 96.51,8.48 v1(96.51,9.66) ; C53.1 161.14,42.65 U7.4 163.53,42.65 165.6,40.58 ; 165.6,40.58 v1(165.6,49.58) ; 165.6,40.58 165.6,37.65 163.82,35.87 163.82,33.76 152.51,22.45 v1(139.18,22.45)
  Bottom w0.5: v1(109.21,53.44) 108.19,52.43 v1(108.19,49.12) ; v1(137.66,50.52) 139.09,51.95 v1(139.09,53.02) ; v1(165.98,52.89) 165.6,52.51 v1(165.6,49.58) ; v1(96.51,9.66) 96.51,10.77 v1(108.19,22.45) 109.81,24.07 v1(137.06,24.07) 138.67,22.45
VEE: length 274.7
  Top w0.25: R74.2 183.25,41.5 181.61,39.86 179.07,39.86 178.61,39.4 178.61,38.39 177.24,37.02 166.26,37.02 166.11,37.17
  Top w0.5: 138.42,29.06 138.42,23.72 136.13,21.44 135.12,21.44 ; 138.42,29.06 139.94,30.58 U6.11 142.88,30.58 C54.2 ; 138.42,29.06 138.42,41.69 138.46,41.73 ; C50.2 169.99,42.21 168.37,42.21 U7.11 167.38,42.65 166.5,41.78 ; R71.2 113.06,37.6 111.15,37.6 109.46,35.92 109.29,36.09 ; 138.46,41.73 139.38,42.65 U3.11 142.5,42.65 C48.2 ; 138.46,41.73 138.67,41.94 138.67,44.04 138.7,44.07 138.7,50.97 136.23,53.44 U1.6 134.59,53.44 C40.2 ; 109.46,21.18 109.29,21.36 109.29,36.09 ; 109.46,21.18 105.91,21.18 104,19.28 D13.2 94.1,19.28 C34.2 87.35,12.53 83.07,12.53 73.65,21.96 C12.2 69.83,21.96 68.7,23.1 IC8.2 68.7,24.87 D7.2 ; 109.46,21.18 120.55,21.18 U9.11 124.29,21.44 135.12,21.44 ; 135.12,21.44 152.48,21.44 164.52,33.47 164.52,35.58 166.5,37.57 166.5,41.78 ; C44.2 112.77,42.65 U4.11 110.09,42.65 109.29,41.85 109.29,41.37 ; 109.29,36.09 109.29,41.37 ; 109.29,41.37 109.29,50.87 106.72,53.44 U5.6 C52.2 ; C42.2 112.89,30.58 U8.11 109.73,30.58 109.29,30.14 109.29,27.95 ; 166.5,41.78 166.5,50.47 163.53,53.44 U2.6 162.28,53.44 C46.2 159.28,50.45 155.62,50.45 R79.2
/-X': length 153.6
  Top w0.25: 105.14,25.75 U8.7 ; 105.14,25.75 96.67,25.75 91.18,31.24 91.18,56.22 102.73,67.78 180.28,67.78 v1(182.64,65.42) ; 105.14,25.75 102.63,25.75 R149.1 R150.1 ; v1(182.62,61.44) R51.1 R148.2
  Bottom w0.25: v1(182.64,65.42) 182.62,65.39 v1(182.62,61.44)
/cv_f_pot: length 33.5
  Top w0.25: R41.1 v1(56.89,35.92) ; J41.2 81.37,30.58 68.06,30.58 v1(66.28,32.36)
  Bottom w0.25: v1(56.89,35.92) 62.73,35.92 v1(66.28,32.36)
/damp_pot: length 117.5
  Top w0.25: R59.2 190.49,47.11 v1(190.49,48.87) ; J38.10 87.94,45.08 v1(88.89,45.08)
  Bottom w0.25: v1(190.49,48.87) 184.8,54.56 156.1,54.56 154.22,52.67 153.23,52.67 152.81,52.25 152.81,50.63 151.73,49.55 140.24,49.55 137.7,47.01 133.54,47.01 132.38,48.17 131.62,48.17 127.3,43.85 120.71,43.85 119.41,45.15 88.96,45.15 v1(88.89,45.08)
/ext_in: length 45.6
  Top w0.25: J38.1 82.32,68.12 61.7,68.12 59.26,65.68 59.26,64.95 56.63,62.32 C5.1
/F_CV: length 122.2
  Top w0.25: R46.2 78.22,35.3 D6.1 79.74,37.19 v1(79.75,37.19) ; v1(11.04,63.98) 11.04,61.32 14.19,58.17 IC3.6 19.75,58.17 20.68,59.09 20.68,61.06 19.75,61.98 IC3.3
  Bottom w0.25: v1(79.75,37.19) 79.96,37.4 79.96,62.12 70.62,71.46 18.52,71.46 v1(11.04,63.98)
/fine_pot: length 76.8
  Top w0.25: v1(130.23,42.2) 130.81,42.77 R57.2
  Bottom w0.25: J36.1 196.94,36.93 179.96,36.93 177.84,34.81 162,34.81 148.62,48.2 142.71,48.2 140.54,46.03 134.06,46.03 v1(130.23,42.2)
/freq_a_pot: length 101.5
  Top w0.25: R3.1 44.93,67.9 46.96,69.94 83.56,69.94 87.91,65.58 87.91,52.14 90.72,49.34 90.72,27.23 J41.7
/freq_b_pot: length 77.6
  Top w0.25: J41.9 83.34,16.7 70.6,29.44 v1(59.81,29.44) ; v1(31.99,34.78) 31.99,35.61 33.93,37.55 33.93,39.07 28.12,44.88 28.12,47.06 R5.1
  Bottom w0.25: v1(59.81,29.44) 51.04,29.44 45.48,35 32.21,35 v1(31.99,34.78)
/freq_cv_a_pot: length 77.9
  Top w0.25: v1(58.54,65.25) 57.44,65.25 R1.1 ; v1(87.62,50.77) 89.8,48.59 89.8,31.4 J41.5 ; v1(68.82,70.7) 83.56,70.7 88.95,65.3 v1(88.95,52.13)
  Bottom w0.25: v1(88.95,52.13) 87.62,50.8 v1(87.62,50.77) ; v1(68.82,70.7) 67.47,70.7 62.03,65.25 v1(58.54,65.25)
/freq_cv_b_pot: length 78.9
  Top w0.25: v1(37.83,34.27) 37.46,34.65 37.46,38.77 v1(38.12,39.43) ; v1(36.91,50.1) 36.91,50.26 39.56,52.91 R2.1 ; J41.10 84.61,14.16 70.22,28.55 59.39,28.55 v1(59.25,28.41)
  Bottom w0.25: v1(36.91,50.1) 35.59,48.78 35.59,41.14 37.3,39.43 v1(38.12,39.43) ; v1(59.25,28.41) 51.18,28.41 45.32,34.27 v1(37.83,34.27)
/freq_f_pot: length 75.7
  Top w0.25: v1(18.15,49.76) 15.69,49.76 8.92,56.53 8.92,59.22 J34.1 ; v1(53.08,33.5) 48.63,37.95 v1(48.25,37.95) ; v1(61.97,34.39) R43.1
  Bottom w0.25: v1(18.15,49.76) 29.73,38.18 32.01,38.18 32.33,37.86 48.16,37.86 v1(48.25,37.95) ; v1(61.97,34.39) 61.08,33.5 v1(53.08,33.5)
/gain_mod_pot: length 60.1
  Top w0.25: v1(122.16,58.75) 122.16,59.66 120.03,61.8 v1(118.61,61.8) ; v1(93.97,57.49) 99.86,63.38 v1(111.52,63.38) ; R54.2 133.09,49.65 v1(133.09,50.3)
  Bottom w0.25: J38.7 92.73,57.49 v1(93.97,57.49) ; v1(122.16,58.75) 124.03,58.75 132.48,50.3 v1(133.09,50.3) ; v1(118.61,61.8) 117.02,63.38 v1(111.52,63.38)
/gain_pot: length 47.6
  Top w0.25: v1(128.15,46.36) 129.83,44.68 R55.2 ; v1(88.89,46.08) 86.58,46.08 J38.8
  Bottom w0.25: v1(88.89,46.08) 89.91,46.08 90.38,45.61 121.81,45.61 122.12,45.91 127.71,45.91 v1(128.15,46.36)
/LEDU: length 56.2
  Top w0.25: R117.1 177.05,65.63 178.9,63.79 186.87,63.79 195.78,54.89 195.78,30.18 196.56,29.4 J36.4
/LEDX: length 75.1
  Top w0.25: J36.7 195.57,23.24 195.57,24.36 194.43,25.5 194.43,53.42 185.65,62.19 170.93,62.19 170.59,62.54 161.47,62.54 160.71,63.3 159.41,63.3 R147.1
/LEDY: length 69
  Top w0.25: R142.1 161.03,65.63 162.74,63.92 175.54,63.92 176.82,62.64 185.84,62.64 194.88,53.61 194.88,26.47 J36.6
/LEDZ: length 62.4
  Top w0.25: R133.1 166.61,64.48 175.62,64.48 177.01,63.09 186.03,63.09 195.33,53.79 195.33,28.56 J36.5
/offset_switch: length 135.4
  Top w0.25: v1(45.2,30.07) 43.35,28.22 40.66,28.22 Q1.1 39.59,27.15 v1(34.91,27.15) ; v1(76.73,62.87) 76.13,62.87 R17.2
  Bottom w0.25: v1(45.2,30.07) 48.5,26.77 62.18,26.77 78.86,43.45 78.86,60.75 v1(76.73,62.87) ; v1(34.91,27.15) 29.26,32.81 23.88,32.81 23.2,33.49 10.93,33.49 8.37,36.04 7.58,36.04 1.75,41.87 1.75,61.5 J34.2
/OUT: length 67.5
  Top w0.25: R32.2 60.09,49.28 v1(59.43,48.62) ; R66.1 30.31,29.16 30.31,31.3 31.74,32.73 31.74,33.5 32.85,34.61 32.85,35.18 38.15,40.49 v1(39.49,40.49) 39.49,42.12 C10.2 ; C10.2 39,42.61 32.29,42.61 R50.2 ; C10.2 40.61,41 44.31,41 IC5.7 ; v1(49.01,39.73) 54.61,39.73 56.89,42 v1(56.89,43.28)
  Bottom w0.25: v1(56.89,43.28) 59.43,45.82 v1(59.43,48.62) ; v1(49.01,39.73) 47.87,38.58 41.39,38.58 v1(39.49,40.49)
/out -U: length 34.9
  Top w0.25: v1(169.15,48.11) R120.1
  Bottom w0.25: J13.10 184.49,42.36 181.41,39.28 176.76,39.28 174.2,41.85 174.2,42.06 173.77,42.48 173.57,42.48 173.57,43.69 v1(169.15,48.11)
/out -X: length 143.3
  Top w0.25: J13.4 190.38,64.24 179.08,64.24 176.53,66.8 117.18,66.8 111.68,61.29 99.54,61.29 92.09,53.85 92.09,36.9 96.19,32.8 96.19,27.73 R150.2
/out -Y: length 65.5
  Top w0.25: v1(161.79,36.93) R144.1 ; v1(153.92,53.46) 154.42,52.96 v1(154.42,49.19)
  Bottom w0.25: v1(153.92,53.46) 154.23,53.46 155.77,55.01 187.01,55.01 187.81,54.21 196.18,54.21 J13.5 ; v1(161.79,36.93) 154.42,44.3 v1(154.42,49.19)
/out -Z: length 101.4
  Top w0.25: v1(124.92,34.39) 124.72,34.19 R136.1
  Bottom w0.25: J13.7 191.76,44.71 180.92,44.71 176.45,40.23 174.65,42.03 174.65,42.24 174.02,42.87 174.02,46.03 166.39,53.66 156.48,53.66 151.91,49.1 140.43,49.1 137.81,46.48 133.49,46.48 124.92,37.91 v1(124.92,34.39)
/out U: length 66.5
  Top w0.25: J13.9 198.65,43.27 198.65,13.6 198.04,12.98 185.62,12.98 171.88,26.73 171.88,27.35 R109.1
/out X: length 136.8
  Top w0.25: R145.2 91.63,35.86 91.63,54.02 100.13,62.52 112.27,62.52 117,67.25 176.71,67.25 179.27,64.69 192.47,64.69 J13.3
/out Y: length 30
  Top w0.25: v1(175.68,42.02) 173.13,39.47 R137.2
  Bottom w0.25: J13.6 189.67,45.16 178.88,45.16 175.75,42.02 v1(175.68,42.02)
/out Z: length 68.8
  Top w0.25: v1(146.36,26.23) 145.3,26.23 R129.2 ; v1(193.33,44.79) 193.33,32.13 v1(193.59,31.88)
  Bottom w0.25: v1(193.33,44.79) 194.38,44.79 J13.8 ; v1(193.59,31.88) 187.73,26.02 146.57,26.02 v1(146.36,26.23)
/OUT_AMP: length 32.3
  Top w0.25: J34.6 4.1,51.34 4.1,34.48 R62.2 14.82,28.24 R64.2
/P1: length 102.1
  Top w0.25: v1(30.34,65.89) R11.2 ; IC4.7 72.25,63.25 R17.1 73.85,63.25 R15.2 76.23,61.34 78.15,63.27 78.15,66.28 77.53,66.9 62.73,66.9 v1(62.69,66.94)
  Bottom w0.25: v1(62.69,66.94) 61.37,68.26 44.61,68.26 42.57,70.3 34.75,70.3 31.87,67.41 ; J34.7 4.47,51.53 4.47,54.25 13.61,63.39 27.84,63.39 31.87,67.41 ; 31.87,67.41 v1(30.34,65.89)
/P2: length 109.1
  Top w0.25: IC4.1 64.09,63.88 R16.2 63.98,65.99 v1(63.88,66.09) ; v1(36.19,57.25) 34.32,55.38 31.58,55.38 v1(30.47,56.49) 29.96,55.98 R12.2 ; v1(31.11,39.85) 32.51,39.85 33.48,38.88 33.48,37.73 29.39,33.64 v1(25.19,33.64) 25.19,34.52 25.89,35.22 25.89,37.5 24.9,38.48 IC1.10
  Bottom w0.25: v1(36.19,57.25) 41.66,62.73 60.52,62.73 v1(63.88,66.09) ; J34.10 11.34,33.94 23.38,33.94 23.68,33.64 v1(25.19,33.64) ; v1(30.47,56.49) 33.08,53.88 33.08,52.22 31.11,50.25 v1(31.11,39.85)
/P / cv_f_pot: length 70.1
  Top w0.5: v1(108.32,135.85) 106.39,133.92 102.09,133.92 70.98,165.03 FREQ_CV_F1.2
  Bottom w0.5: v1(108.32,135.85) 113.52,141.05 J40.2
/P / damp_mod: length 129.3
  Bottom w0.5: J25.1 178.01,228.4 171.92,222.31 171.92,197.46 167.09,192.62 167.09,191.33 192.1,166.32 192.1,154.62 192.86,153.86 192.86,152.64 191.26,151.04 damp_mod1.3 191.26,126.95 J33.10
/P / damp_mod_pot: length 84.8
  Top w0.5: J39.9 116.2,152.49 126.99,152.49 141.98,137.5 175.76,137.5 183.38,145.12 187.44,145.12 188.76,143.81 damp_mod1.2
/P / damp_pot: length 90.5
  Top w0.5: damp1.2 187.38,109.35 178.14,109.35 178.01,109.47 168.62,109.47 130.75,147.35 116.77,147.35 J39.10
/P / ext_in: length 66.7
  Top w0.5: v1(113.17,193.46) 96.47,210.16 96.47,225.62 99.25,228.4 J3.1
  Bottom w0.5: J39.1 113.17,173.8 v1(113.17,193.46)
/P / fine_pot: length 129.4
  Bottom w0.5: fine1.2 125.98,146.82 6.6,146.82 J37.1
/P / freq_a_pot: length 130.1
  Top w0.5: v1(117.08,106.36) 116.46,105.74 17.08,105.74 FREQ_A1.2
  Bottom w0.5: J40.7 117.08,126.4 v1(117.08,106.36)
/P / freq_b_pot: length 86.2
  Top w0.5: J40.9 116.43,121.97 116.43,117.8 106.53,107.9 44.37,107.9 FREQ_B1.2
/P / freq_cv_a_pot: length 107.7
  Top w0.5: v1(102.35,139.28) 102.61,139.28 103.95,137.93 v1(103.95,136.77)
  Bottom w0.5: v1(103.95,136.77) 107.28,133.43 J40.5 ; v1(102.35,139.28) 15.75,139.28 FREQ_CV_A1.2
/P / freq_cv_b_pot: length 101.9
  Top w0.5: FREQ_CV_B1.2 41.54,127.45 60.39,108.6 103,108.6 J40.10
/P / freq_f_pot: length 190.5
  Top w0.5: v1(188.28,106.77) 189.09,106.77 198.87,116.55 198.87,170.4 J35.1
  Bottom w0.5: FREQ_F1.2 76.3,105.41 186.92,105.41 v1(188.28,106.77)
/P / gain_mod: length 403.6
  Top w0.5: v1(179.97,107.43) 180.08,107.33 180.08,104.33 v1(178.91,103.16) ; 169.07,152.57 v1(169.15,152.49) ; 169.07,152.57 192.29,175.79 192.29,196.31 160.21,228.4 J23.1 ; 169.07,152.57 161.81,145.31 gain_mod1.3 ; v1(60.7,109.82) 60.7,158.84 50.26,169.28 v1(37.63,169.28)
  Bottom w0.5: J31.2 37.61,169.25 v1(37.63,169.28) ; v1(60.7,109.82) 67.5,103.01 178.76,103.01 v1(178.91,103.16) ; v1(179.97,107.43) 180.08,107.53 180.08,141.57 v1(169.15,152.49)
/P / gain_mod_pot: length 50.8
  Top w0.5: v1(147.56,142.84) 133.85,156.55 J39.7
  Bottom w0.5: v1(147.56,142.84) 148.74,141.66 158.04,141.66 gain_mod1.2
